# KiCad board karabas-pro-revER.kicad_pcb (continued)
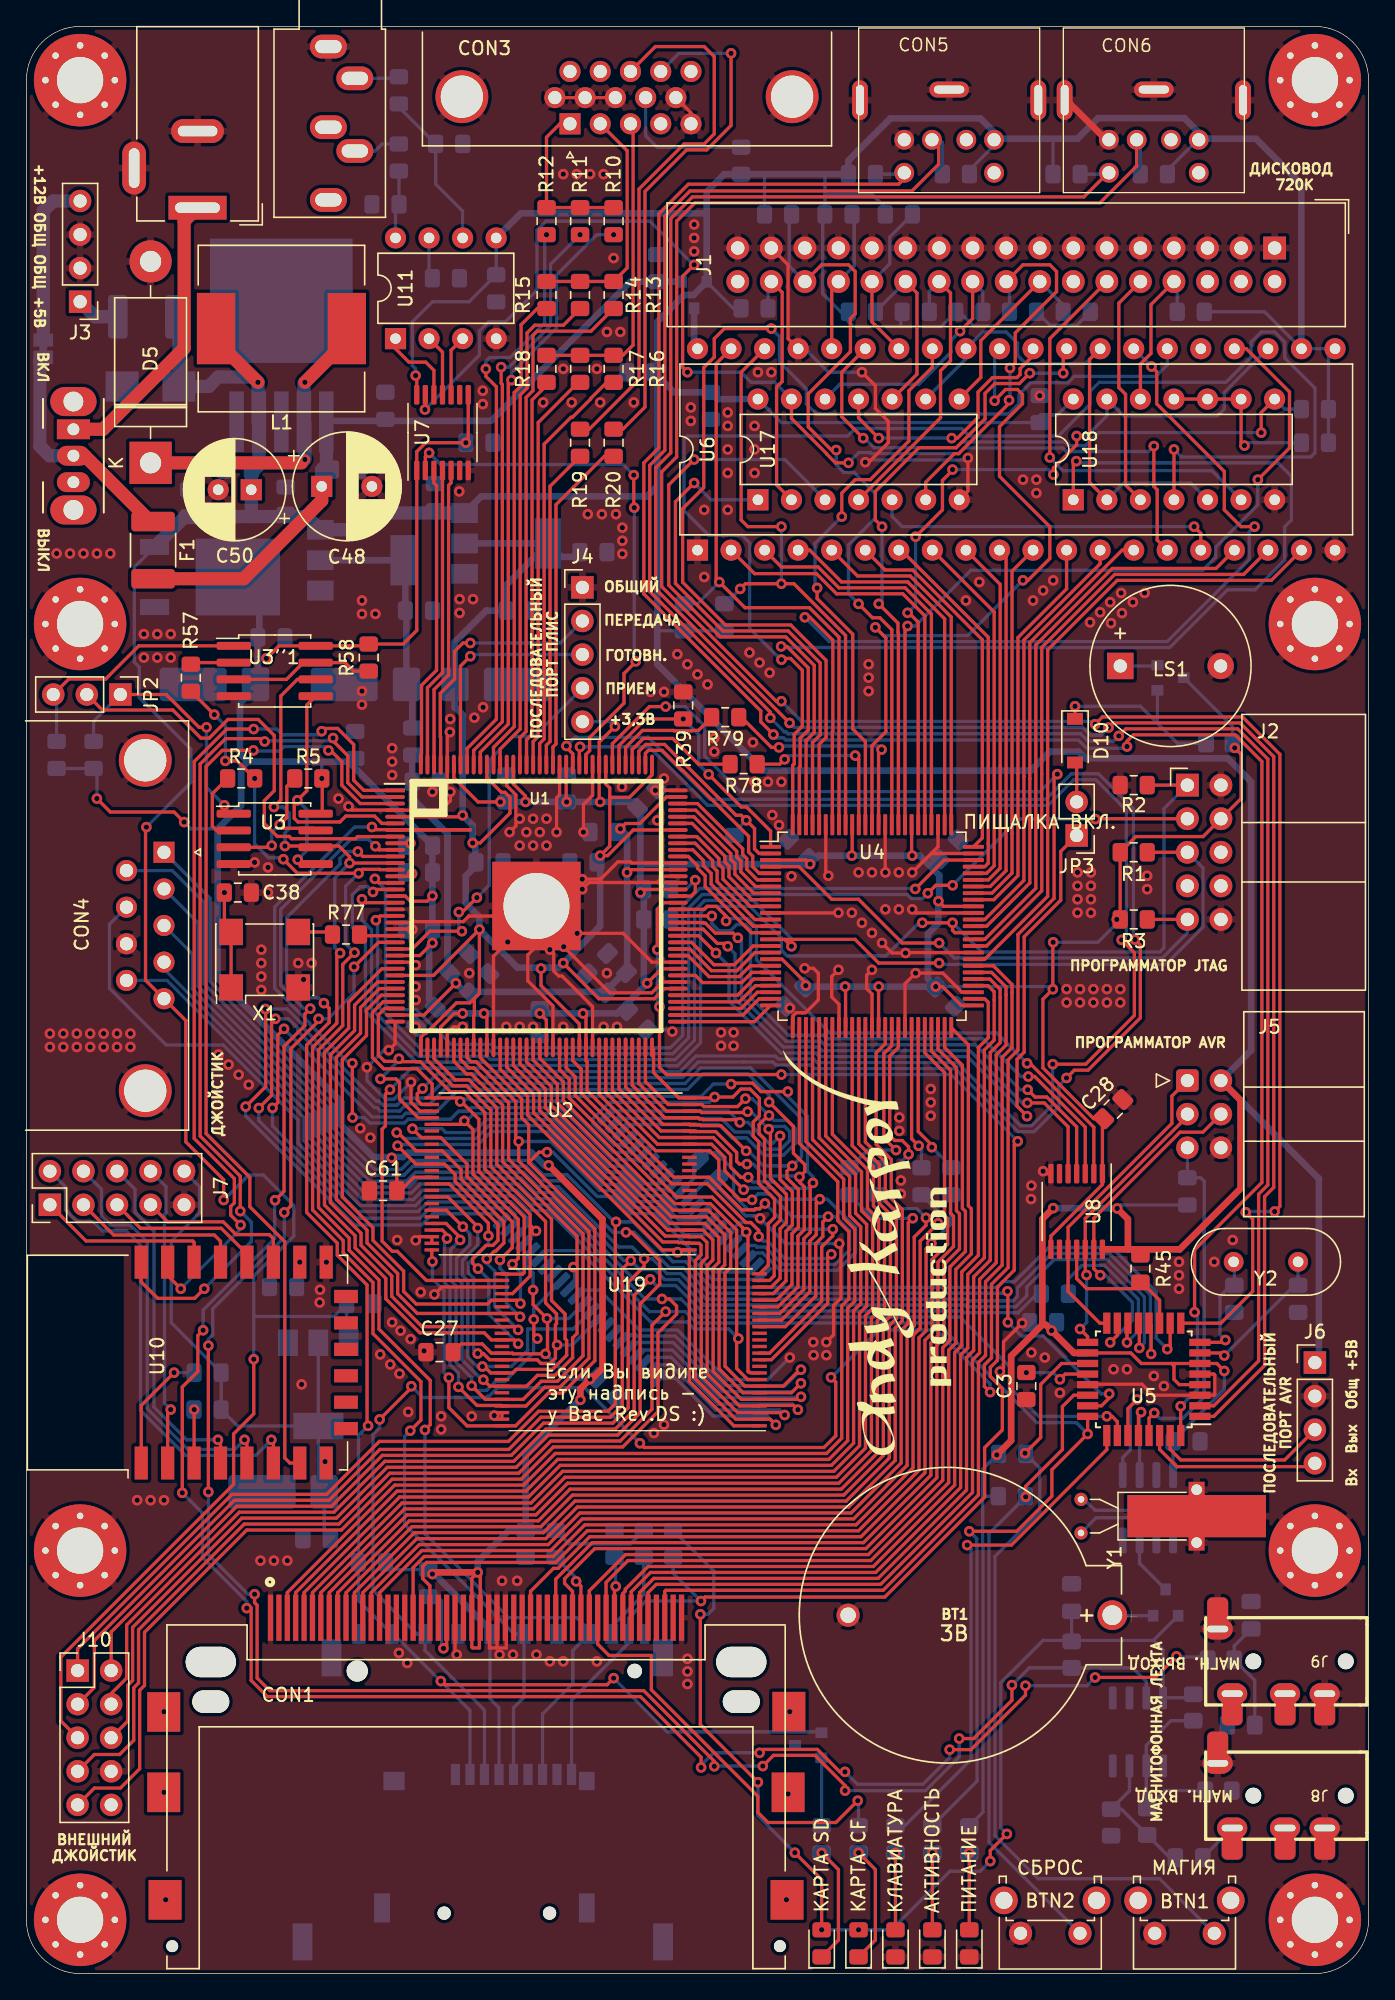
[diagram p0: board, top side]
## Routing (per net, layer and track width the routed paths; a pad name or vN(x,y) marks a point on that pad's centre or on a via; arc(x,y) is an arc through that point) (continued)
/LED1: length 38.8
  Top w0.25: v1(71.21,32.42) 74.56,32.42 81.78,39.64 U5.25
  Bottom w0.25: R28.1 66.49,11.19 71.51,16.21 71.51,32.12 v1(71.21,32.42)
/LED2: length 202.1
  Top w0.25: v1(71.37,33.46) 74.97,33.46 77.62,36.12 77.62,38.12 v1(80.33,40.83) U5.24 ; J10.7 5.14,16.57 7.05,16.57 8.12,17.65 8.12,21.62 8.49,21.99 8.49,26.01 16.49,34.01 23.66,34.01 27.5,37.86 37.26,37.86 39.7,40.29 44.95,40.29 47.35,42.7 47.35,49.05 v1(48.39,50.08)
  Bottom w0.25: R29.1 71.96,14.57 71.96,32.31 71.94,32.33 71.94,32.9 v1(71.37,33.46) ; CON4.7 6.29,79.39 6.29,74.55 10.58,70.26 14.89,70.26 20.56,64.58 20.56,62.83 25.28,58.11 29.47,58.11 30.19,58.83 35.76,58.83 35.76,58.83 36.89,58.83 37.99,57.73 39.5,57.73 47.15,50.08 v1(48.39,50.08) 49.87,50.08 50.73,49.23 68.96,49.23 74.15,44.04 74.15,44.01 76.48,41.68 79.48,41.68 v1(80.33,40.83)
/LED_BUSY: length 32.1
  Top w0.25: v1(62.93,13.08) 61.28,11.43 56.13,11.43 55.37,12.19 55.37,13.4 47.31,21.47 47.31,24.07 44.1,24.07 43.24,24.92 CON1.45
  Bottom w0.25: v1(62.93,13.08) 62.99,13.02 R55.1
/LFDC_STEP: length 41.2
  Top w0.25: U7.2 30.2,114.77 v1(30.48,115.06) ; U1.119 42.36,92.24 42.64,92.52 42.64,93.52 45.24,96.12 45.24,98.36 46.13,99.25 v1(46.13,99.28) ; v1(45.97,113.37) 45.97,110.95 v1(46.01,110.91)
  Bottom w0.25: v1(45.97,113.37) 45.17,114.17 31.37,114.17 v1(30.48,115.06) ; v1(46.13,99.28) 46.01,99.4 v1(46.01,110.91)
/LSND_BS: length 22.8
  Top w0.25: 29.88,91.5 29.88,92.27 29.91,92.29 29.91,97.47 31.05,98.61 31.05,112.58 30.85,112.78 U7.3
/LSND_DAT: length 22.8
  Top w0.25: U1.142 30.86,97.15 31.96,98.25 31.96,112.6 32.15,112.79 U7.5
/LSND_WS: length 22.7
  Top w0.25: U7.4 31.5,98.42 30.36,97.29 U1.143
/MA0: length 45.5
  Top w0.25: U19.25 36.02,52.92 37.56,52.92 37.68,53.04 37.68,57.25 34.25,60.68 34.25,64.64 32.63,66.25 U2.25 30.71,66.28 30.71,67.31 29.57,68.46 27.04,68.46 26.19,69.31 26.19,72.71 27,73.52 U1.33
  Bottom w0.25: 45.71,62.13 44.41,62.13 42.43,64.11 42.43,64.12 40.55,66.01 33.75,66.01 33.59,66.17 33.02,66.17 v1(32.83,65.98)
/MA1: length 39.1
  Top w0.25: U1.72 47.47,69.96 47.47,68.17 49.39,66.25 U2.24 52.03,66.25 v1(52.1,66.32) 53.48,66.32 54.08,66.92 54.78,66.92 55.48,66.22 55.48,64.89 55.02,64.42 55.02,63.35 55.42,62.95 55.42,59.8 56.63,58.59 56.63,57.2 56.15,56.72 56.15,53.6 U19.24
  Bottom w0.25: 45.14,62.7 44.48,62.7 42.88,64.29 42.88,64.68 44.12,65.92 51.7,65.92 v1(52.1,66.32)
/MA2: length 46.4
  Top w0.25: U19.23 56.26,52.44 56.6,52.79 56.6,56.54 57.08,57.02 57.08,58.78 55.87,59.98 55.87,63.13 55.47,63.54 55.47,64.24 56.15,64.92 v1(56.21,64.92) ; U1.71 46.86,67.48 48.59,65.75 U2.23 51.13,65.75 51.29,65.59 53.83,65.59 v1(54.43,66.2)
  Bottom w0.25: v1(54.43,66.2) 54.94,66.2 v1(56.21,64.92) 56.58,64.55 57.58,64.55 58.22,63.91 58.22,62.84 57.31,61.92 55.83,61.92 54.52,63.23 53.43,63.23 52.42,64.24 45.55,64.24 U20.3
/MA3: length 45.2
  Top w0.25: U1.70 46.36,67.35 48.45,65.25 U2.22 51,65.25 51.1,65.14 54.53,65.14 v1(54.59,65.21) ; U19.22 56.39,51.94 57.05,52.6 57.05,56.35 57.53,56.83 57.53,58.96 56.32,60.17 56.32,63.75 v1(56.19,63.89)
  Bottom w0.25: U20.2 44.73,64.27 45.17,64.7 52.59,64.7 53.61,63.68 54.71,63.68 56.02,62.37 57.12,62.37 57.77,63.02 57.77,63.72 57.4,64.1 56.4,64.1 v1(56.19,63.89) 54.87,65.21 v1(54.59,65.21)
/MA4: length 40.6
  Top w0.25: v1(57.05,63.37) 57.05,60.08 57.98,59.15 57.98,56.64 57.5,56.17 57.5,52.42 56.53,51.44 U19.21 ; U1.69 45.86,67.21 48.32,64.75 U2.21 50.86,64.75 50.96,64.65 51.18,64.65 51.23,64.6 53.8,64.6 v1(54,64.4)
  Bottom w0.25: 44.45,65.23 44.49,65.27 53.14,65.27 v1(54,64.4) 54.62,64.4 56.2,62.82 56.5,62.82 v1(57.05,63.37) ; 44.1,64.83 44.55,65.28
/MA5: length 113.4
  Top w0.25: v1(18.09,72.98) 18.11,72.96 18.11,67.1 v1(16.6,65.59) ; v1(54.48,62.24) 52.57,64.15 51.05,64.15 51,64.2 50.24,64.2 U2.20 48.18,64.25 45.36,67.07 U1.68 ; U19.20 56.75,50.94 57.95,52.14 57.95,55.98 58.43,56.46 58.43,59.34 57.57,60.19 57.57,60.71 v1(57.97,61.11)
  Bottom w0.25: v1(16.6,65.59) 16.6,64.88 24.84,56.64 29.91,56.64 30.75,57.48 35.43,57.48 U20.44 ; v1(18.09,72.98) 19.73,72.98 20.98,71.73 20.98,71.52 26.49,66.01 26.68,66.01 26.99,65.7 28.05,65.7 28.59,66.24 30.3,66.24 31.67,67.61 34.06,67.61 34.3,67.36 41.11,67.36 41.12,67.34 49.85,67.34 51.04,68.52 54.82,68.52 58.67,64.67 58.67,61.81 v1(57.97,61.11) 55.78,61.11 54.65,62.24 v1(54.48,62.24)
/MA6: length 114.7
  Top w0.25: v1(17.59,65.48) 18.56,66.45 18.56,71.95 v1(18.85,72.24) ; U1.67 44.86,66.94 48.04,63.75 U2.19 50.24,63.7 52.18,63.7 53.76,62.12 53.76,61.46 53.98,61.24 v1(54.54,61.24) ; v1(56.22,65.94) 58.06,64.1 58.06,62.07 58.92,61.21 58.92,60.67 v1(58.52,60.27) 58.52,59.88 58.88,59.52 58.88,56.27 58.4,55.79 58.4,51.96 56.89,50.44 U19.19
  Bottom w0.25: v1(58.52,60.27) 58.45,60.34 55.91,60.34 55.01,61.24 v1(54.54,61.24) ; v1(56.22,65.94) 56.22,66.46 54.61,68.07 51.22,68.07 50.04,66.89 40.94,66.89 40.92,66.91 34.12,66.91 33.87,67.16 31.89,67.16 30.52,65.79 28.77,65.79 28.24,65.25 26.8,65.25 26.54,65.52 26.35,65.52 20.53,71.33 20.53,71.54 19.84,72.24 v1(18.85,72.24) ; v1(17.59,65.48) 17.59,64.53 24.97,57.15 29.78,57.15 30.56,57.93 36.13,57.93 36.13,57.93 36.52,57.93 36.98,57.47 36.98,56.8 ; U20.43 37.08,56.9
/MA7: length 117.1
  Top w0.25: v1(57.64,66.73) 55.61,66.73 54.96,67.37 53.42,67.37 v1(53.34,67.3) ; U19.18 57.03,49.94 58.85,51.77 58.85,55.61 59.33,56.08 59.33,59.61 v1(59.54,59.82) ; v1(19.5,71.48) 19.03,71.01 19.03,65.89 v1(18.63,65.49) ; U1.66 44.36,66.8 47.91,63.25 U2.18 52,63.25 53.31,61.93 53.31,61.01 54.07,60.25 v1(54.64,60.25)
  Bottom w0.25: v1(54.64,60.25) 54.99,59.89 56.63,59.89 57.11,59.41 59.13,59.41 v1(59.54,59.82) 59.54,60.27 59.12,60.69 59.12,64.86 57.64,66.34 v1(57.64,66.73) ; v1(18.63,65.49) 18.63,64.13 25.1,57.66 29.65,57.66 30.38,58.38 36.7,58.38 37.9,57.19 37.9,56.58 U20.42 ; v1(53.34,67.3) 52,67.3 51.08,66.38 40.81,66.38 40.73,66.46 33.93,66.46 33.69,66.71 32.53,66.71 30.92,65.09 28.72,65.09 28.43,64.8 26.18,64.8 v1(19.5,71.48)
/MA8: length 51.7
  Top w0.25: 53.76,48.02 53.76,56.26 51.77,58.25 U2.8 49.09,58.25 41.09,66.25 41.09,67.66 40.36,68.39 U1.58 ; 53.76,48.02 53.76,45.78 54.6,44.94 U19.8 ; 53.76,48.02 53.78,48.04 v1(53.9,48.04)
  Bottom w0.25: U20.39 39.4,54.69 41.86,54.69 43.42,53.13 43.44,53.13 47.27,49.3 50.01,49.3 50.55,48.77 53.17,48.77 v1(53.9,48.04)
/MA9: length 54.1
  Top w0.25: U1.55 38.86,69.25 40.64,67.47 40.64,66.06 48.95,57.75 U2.7 51.63,57.75 53.31,56.07 53.31,53.44 52.88,53.01 52.88,45.95 54.39,44.44 U19.7 57.29,44.44 58.26,45.41 58.35,45.41 v1(58.63,45.69)
  Bottom w0.25: v1(58.63,45.69) 57.42,44.48 52.86,44.48 49.11,48.23 46.21,48.23 46.13,48.31 45.75,48.31 45.67,48.23 45.39,48.23
/MA10: length 53.7
  Top w0.25: U1.54 38.36,69.12 40.19,67.29 40.19,65.88 48.81,57.25 U2.6 51.49,57.25 52.86,55.88 52.86,53.62 52.43,53.19 52.43,45.76 54.25,43.94 U19.6 57.91,43.94 v1(58.63,44.66)
  Bottom w0.25: v1(58.63,44.66) 58,44.03 52.67,44.03 48.96,47.75 46.03,47.75
/MA11: length 53.4
  Top w0.25: U1.53 37.86,68.98 39.74,67.1 39.74,65.69 48.68,56.75 U2.5 51.36,56.75 52.41,55.7 52.41,53.81 51.98,53.38 51.98,45.58 54.12,43.44 U19.5 58.44,43.44 v1(58.63,43.63)
  Bottom w0.25: v1(58.63,43.63) 58.58,43.58 52.48,43.58 48.88,47.18 46.6,47.18
/MA12: length 53.4
  Top w0.25: v1(58.4,42.66) 58.08,42.98 55.54,42.98 U19.4 53.98,42.94 51.53,45.39 51.53,53.57 51.96,53.99 51.96,55.51 51.22,56.25 U2.4 48.54,56.25 39.29,65.5 39.29,66.91 37.36,68.85 U1.52
  Bottom w0.25: v1(58.4,42.66) 57.97,43.09 52.34,43.09 48.8,46.63 47.18,46.63
/MA13: length 51.5
  Top w0.25: v1(57.4,42.26) 57.22,42.44 U19.3 53.84,42.44 51.08,45.2 51.08,53.75 51.51,54.18 51.51,55.32 51.08,55.75 U2.3 50.14,55.8 48.36,55.8 38.84,65.32 38.84,66.73 36.86,68.71 U1.51
  Bottom w0.25: v1(57.4,42.26) 57.02,42.64 52.15,42.64 48.74,46.05 47.73,46.05
/MA14: length 50.8
  Top w0.25: U1.50 36.36,68.57 38.39,66.54 38.39,65.13 48.17,55.35 49.33,55.35 49.38,55.3 50.14,55.3 U2.2 50.92,55.25 51.06,55.12 51.06,54.37 50.63,53.94 50.63,45.02 53.71,41.94 U19.2 56.3,41.94 v1(56.73,41.52)
  Bottom w0.25: U20.23 49.11,45.05 51.97,42.19 56.05,42.19 v1(56.73,41.52)
/MA15: length 46.2
  Top w0.25: U1.49 35.86,68.44 37.94,66.35 37.94,64.94 48.13,54.75 U2.1 50.18,54.75 50.18,44.81 53.55,41.44 U19.1 ; 49.46,54.75 v1(49.29,54.58)
  Bottom w0.25: 55.33,52.52 51.92,52.52 49.86,54.58 v1(49.29,54.58)
/MA16: length 74.3
  Top w0.25: v1(30.73,53.87) 30.69,53.92 U2.48 ; 38.02,61.36 38.02,64.21 37.49,64.74 37.49,66.17 34.36,69.3 U1.46 ; 38.02,61.36 43.03,56.35 43.03,46.37 40.57,43.91 39.5,43.91 37.03,41.44 U19.48 35.99,41.44 33.36,41.44 31.98,42.82 v1(31.98,45.08) ; 38.02,61.36 38.8,62.15 v1(39.41,62.15)
  Bottom w0.25: 54.76,53.08 52,53.08 47.59,57.49 45.75,57.49 44.46,58.79 43.21,58.79 39.85,62.15 v1(39.41,62.15) ; v1(31.98,45.08) 31.61,45.45 31.61,48.52 31.61,48.52 31.61,51.67 30.73,52.55 v1(30.73,53.87)
/MA17: length 49.9
  Top w0.25: U19.17 57.16,49.44 59.3,51.58 59.3,55.42 59.79,55.9 59.79,58.32 v1(60.06,58.59) ; U1.65 43.86,66.66 47.77,62.75 U2.17 51.86,62.75 52.86,61.75 52.86,60.74 v1(54.29,59.31)
  Bottom w0.25: 55.07,54.52 55.73,54.52 57.05,53.2 61.4,53.2 62.77,54.58 62.77,56.44 60.62,58.59 v1(60.06,58.59) 57.29,58.59 56.44,59.44 54.42,59.44 v1(54.29,59.31)
/MA18: length 49.9
  Top w0.25: v1(60.69,57.27) 60.29,56.87 60.29,55.77 59.75,55.23 59.75,51.26 57.44,48.94 U19.16 ; U1.64 43.36,66.53 47.63,62.25 U2.16 51.72,62.25 52.41,61.56 52.41,60.15 54.02,58.54 v1(54.93,58.54)
  Bottom w0.25: 54.5,55.08 55.17,55.08 55.28,54.97 55.92,54.97 57.24,53.65 61.21,53.65 62.32,54.76 62.32,56.2 61.25,57.27 v1(60.69,57.27) 57.98,57.27 56.25,58.99 55.38,58.99 v1(54.93,58.54)
/MA19: length 34.1
  Top w0.25: U1.59 40.86,68.53 41.54,67.85 41.54,66.44 49.22,58.75 U2.9 51.9,58.75 54.21,56.44 54.21,56.34 54.62,55.94 54.62,45.56 54.69,45.49 54.78,45.49 54.83,45.44 U19.9
  Bottom w0.25: v1(54.49,56.1) 54.39,56.1 U20.18
/MA20: length 70.5
  Top w0.25: v1(37.26,62.96) 37.04,63.18 37.04,65.98 34.02,69 33.66,69 33.36,69.3 U1.44 ; v1(37.26,62.96) 37.26,61.49 42.58,56.17 42.58,46.56 40.39,44.36 39.24,44.36 37.82,42.94 U19.45 35.96,42.98 34.11,42.98 v1(32.7,44.39) ; v1(37.26,62.96) 37.16,62.96 ; U2.45 31.49,56.25 31.84,55.9 v1(31.84,55.61)
  Bottom w0.25: v1(31.84,55.61) 31.66,55.43 31.66,52.27 32.06,51.86 32.06,48.33 32.06,48.33 32.06,46.07 32.7,45.43 v1(32.7,44.39) ; v1(37.26,62.96) 39.68,62.96 43.4,59.24 44.64,59.24 45.94,57.94 47.77,57.94 49.81,55.91 51.93,55.91
/MD0: length 72.5
  Top w0.25: v1(36.79,53.67) 37.23,54.11 37.23,57.06 33.8,60.49 33.8,63.86 v1(33.15,64.52) 32.88,64.25 U2.29 ; U1.32 26.86,74.02 25.74,72.9 25.74,70.97 23.91,69.14 23.91,58.76 26.23,56.44 26.23,55.47 28.55,53.15 28.55,51.61 29.51,50.66 34.91,50.66 35.2,50.94 U19.29 37.14,50.94 v1(37.4,50.69)
  Bottom w0.25: v1(33.15,64.52) 33.32,64.52 33.86,65.06 40.14,65.06 44.11,61.09 45.34,61.09 46.67,59.75 47.86,59.75 U20.9 ; v1(36.79,53.67) 37.4,53.06 v1(37.4,50.69)
/MD1: length 78.8
  Top w0.25: v1(29.22,63.92) 29.89,63.25 U2.31 31.36,63.25 33.35,61.26 33.35,60.31 36.78,56.88 36.78,54.93 v1(35.84,53.99) ; U1.31 26.73,74.52 25.29,73.09 25.29,71.16 23.46,69.33 23.46,58.57 25.78,56.25 25.78,55.29 28.1,52.96 28.1,51.43 29.59,49.94 U19.31 37.12,49.94 v1(37.37,49.69)
  Bottom w0.25: 48.54,59.3 46.49,59.3 45.15,60.64 43.92,60.64 39.95,64.61 34.82,64.61 33.84,63.63 31.75,63.63 31.46,63.92 v1(29.22,63.92) ; v1(37.37,49.69) 36.34,50.72 36.34,52.86 35.84,53.36 v1(35.84,53.99)
/MD2: length 85.7
  Top w0.25: v1(28.03,63.63) 28.12,63.63 29.5,62.25 U2.33 31.47,62.25 32.9,60.83 32.9,60.12 36.14,56.88 36.14,55.28 35.5,54.64 35.41,54.64 v1(34.85,54.08) ; U1.30 26.59,75.02 24.84,73.27 24.84,71.34 23.01,69.51 23.01,58.33 25.33,56.01 25.33,55.1 27.65,52.78 27.65,51.24 29.95,48.94 U19.33 36.98,48.94 v1(37.22,48.7)
  Bottom w0.25: 50.24,57.61 49.48,57.61 48.23,58.85 46.3,58.85 44.97,60.19 43.74,60.19 39.77,64.16 35.01,64.16 34.03,63.18 28.58,63.18 28.12,63.63 v1(28.03,63.63) ; v1(37.22,48.7) 35.45,50.47 35.45,53.14 34.85,53.74 v1(34.85,54.08)
/MD3: length 88.9
  Top w0.25: v1(34.18,53.34) 33.78,53.74 33.78,54.09 34.79,55.09 35.32,55.09 35.69,55.47 35.69,56.69 32.45,59.93 32.45,60.45 31.65,61.25 U2.35 29.48,61.25 v1(28.1,62.63) ; U1.28 26.91,76.02 24.39,73.51 24.39,71.53 22.56,69.7 22.56,58.15 24.88,55.83 24.88,54.91 27.2,52.59 27.2,51.05 29.78,48.48 34.66,48.48 35.2,47.94 U19.35 36.94,47.94 v1(37.22,47.66)
  Bottom w0.25: v1(34.18,53.34) 35,52.52 35,49.88 v1(37.22,47.66) ; v1(28.1,62.63) 28.2,62.73 34.21,62.73 35.19,63.71 39.58,63.71 43.6,59.69 44.83,59.69 46.12,58.4 48,58.4 49.37,57.04 50.8,57.04
/MD4: length 54.8
  Top w0.25: U1.38 30.36,69.09 32.28,67.17 33.31,67.17 35.15,65.32 35.15,62.26 35.15,62.26 35.15,61.05 39.3,56.9 39.3,50.74 40.13,49.91 40.13,49.17 40.04,49.08 40.04,46.57 39.64,46.16 38.94,46.16 38.67,46.44 36,46.44 U19.38 35.06,46.44 34.59,46.91 v1(34.16,46.91) ; U2.38 31.99,59.75 34.97,56.78 v1(34.97,55.82)
  Bottom w0.25: U20.31 41.32,47.56 v1(40.17,47.56) ; v1(34.16,46.91) 33.86,47.21 33.86,52.61 33.46,53.01 33.46,53.74 34.97,55.25 v1(34.97,55.82)
/MD5: length 62.4
  Top w0.25: U2.40 31.91,58.75 34.16,56.5 v1(34.16,56.41) ; U1.39 30.86,69.22 32.46,67.62 33.49,67.62 35.6,65.51 35.6,61.24 39.75,57.09 39.75,50.93 40.77,49.91 40.77,48.04 40.9,47.91 40.9,46.78 39.83,45.71 37.07,45.71 36.8,45.44 U19.40 35.15,45.44 34.66,45.93 v1(34.52,45.93)
  Bottom w0.25: v1(34.16,56.41) 34.16,55.1 33.01,53.95 33.01,52.83 33.41,52.42 33.41,46.63 34.12,45.93 v1(34.52,45.93) 36.71,45.93 37.95,47.16 37.95,48.77 41.4,48.77 U20.32
/MD6: length 53
  Top w0.25: v1(34.59,44.93) 35.08,44.44 U19.42 37.86,44.44 38.69,45.26 40.02,45.26 41.35,46.59 41.35,48.09 41.68,48.43 41.68,55.79 36.05,61.42 36.05,65.7 33.68,68.07 33.32,68.07 32.36,69.03 U1.42 ; 41.66,53.44 41.42,53.44 v1(41.41,53.45) ; U2.42 31.8,57.75 v1(33.04,56.51)
  Bottom w0.25: v1(33.04,56.51) 33.56,55.99 33.56,55.14 32.56,54.14 32.56,52.64 32.96,52.23 32.96,46.45 34.48,44.93 v1(34.59,44.93) ; v1(41.41,53.45) 41.51,53.35 41.51,52.27
/MD7: length 64.9
  Top w0.25: v1(33.7,44.47) 34.73,43.44 U19.44 37.6,43.44 38.97,44.81 40.2,44.81 42.13,46.74 42.13,55.98 36.5,61.61 36.5,65.88 33.87,68.52 33.5,68.52 32.86,69.16 U1.43 ; v1(38.67,48.04) 38.41,48.31 v1(38.41,49.49) ; v1(32.83,55.5) 32.83,55.69 31.77,56.75 U2.44
  Bottom w0.25: v1(38.41,49.49) 38.41,50.3 U20.36 ; v1(38.67,48.04) 38.4,47.77 38.4,46.97 36.21,44.79 35.5,44.79 34.84,44.13 34.04,44.13 v1(33.7,44.47) 33.7,45.07 32.51,46.26 32.51,52.05 32.11,52.45 32.11,54.78 v1(32.83,55.5)
/NCONFIG: length 1.4
  Top w0.25: U1.14 29,83.02 v1(29.19,83.22)
/NCSO: length 34.1
  Top w0.25: U1.8 25.06,86.02 24.9,85.86 20.07,85.86 19.89,86.04 18.99,86.04 18.01,87.02 18.01,88.74 18.76,89.49 18.76,93.67 17.55,94.89 15.25,94.89 13.84,93.47 13.21,93.47 11.08,95.6 5.75,95.6 JP2.2
/NCSO1: length 19.1
  Top w0.25: v1(14.99,88.39) 14.99,87.97 15.2,87.76 ; v1(13.63,94.29) 13.07,94.29 10.58,96.77 JP2.1
  Bottom w0.25: R59.1 5.08,94.74 JP2.1 ; v1(14.99,88.39) 13.63,89.75 v1(13.63,94.29)
/NCSO2: length 18
  Top w0.25: JP2.3 3.21,97.95 6,97.95 8.51,100.46 15.2,100.46
  Bottom w0.25: R60.1 2.29,96.52
/NSTATUS: length 1.2
  Top w0.25: U1.9 29.07,85.52 v1(29.07,85.52)
/PS2_KB_CLK: length 159.5
  Top w0.25: v1(56.55,93.75) 55.59,94.7 55.59,95.53 46.74,104.38 46.74,114.3 47.88,115.44 47.88,133.15 50.1,135.38 66.02,135.38 66.96,136.32 ; v1(83.31,92.84) 83.31,93.24 83.8,93.73 91.5,93.73 93.52,91.7 93.52,59.85 88.43,54.76 v1(88.43,50.04) ; 87.38,40.71 v1(87.38,42.93)
  Bottom w0.25: R21.1 66.78,136.14 ; v1(56.55,93.75) 56.79,93.5 57.31,93.5 57.48,93.33 79.64,93.33 80.26,92.71 83.19,92.71 v1(83.31,92.84) ; v1(88.43,50.04) 88.65,49.82 88.65,44.2 v1(87.38,42.93)
/PS2_KB_DATA: length 160.7
  Top w0.25: v1(82.69,93.64) 83.23,94.18 91.69,94.18 93.97,91.89 93.97,59.67 93.28,58.97 93.28,46.35 89.88,42.96 U5.2 ; 69.06,138.82 69.06,136.9 67.03,134.87 50.23,134.87 48.33,132.97 48.33,115.25 47.19,114.11 47.19,104.57 56.31,95.44 v1(56.31,95)
  Bottom w0.25: R22.1 69.33,138.55 69.06,138.82 ; v1(56.31,95) 57.37,93.95 57.5,93.95 57.65,93.8 79.81,93.8 80.36,93.25 82.3,93.25 v1(82.69,93.64)
/PS2_MS_CLK: length 170.8
  Top w0.25: 81.94,136.32 80.05,134.42 50.42,134.42 48.78,132.78 48.78,115.07 47.64,113.93 47.64,104.75 v1(57.77,94.62) ; v1(81.91,94.27) 82.27,94.63 91.87,94.63 94.42,92.08 94.42,59.48 93.73,58.78 93.73,46 89.88,42.16 U5.1
  Bottom w0.25: v1(57.77,94.62) 58.1,94.29 79.95,94.29 80.54,93.7 81.34,93.7 v1(81.91,94.27) ; 79.76,136.14 81.77,136.14
/PS2_MS_DATA: length 171.3
  Top w0.25: v1(94.49,57.66) 94.89,58.06 94.89,92.25 92.06,95.08 81.45,95.08 v1(80.9,94.53) ; 84.04,138.82 84.04,136.75 81.26,133.97 50.6,133.97 49.23,132.59 49.23,114.75 48.09,113.62 48.09,104.94 56.76,96.27 v1(57.15,96.27) ; U5.9 90.41,49.21 92.83,51.62 92.83,57.08 v1(92.3,57.6)
  Bottom w0.25: R24.1 84.32,138.55 ; v1(92.3,57.6) 92.36,57.66 v1(94.49,57.66) ; v1(80.9,94.53) 80.68,94.74 58.67,94.74 v1(57.15,96.27)
/R: length 12.6
  Top w0.25: CON3.1 40.39,139.95 39.37,138.94 R12.2 R11.2 R10.2
/SA0: length 15.4
  Top w0.25: U4.5 55.47,83.25 54.98,83.73 54.98,84.54 54.67,84.86 54.67,86.05 49.68,91.03 49.64,91.03 48.12,92.55 47.08,92.55 46.86,92.32 U1.110
/SA1: length 10.1
  Top w0.25: U1.106 50.8,88.52 54.22,85.1 54.22,84.67 54.53,84.36 54.53,83.55 55.33,82.75 U4.6
/SD0: length 10.1
  Top w0.25: U4.7 55.19,82.25 54.08,83.36 54.08,84.17 53.77,84.48 53.77,84.92 50.66,88.02 U1.105
/SD1: length 10.1
  Top w0.25: U1.104 50.53,87.52 53.32,84.73 53.32,84.29 53.63,83.98 53.63,83.17 55.06,81.75 U4.8
/SD2: length 10.1
  Top w0.25: U1.103 50.39,87.02 52.87,84.55 52.87,84.11 53.18,83.8 53.18,82.99 54.92,81.25 U4.9
/SD3: length 9.9
  Top w0.25: U4.10 54.79,80.75 52.73,82.8 52.73,83.61 52.42,83.92 52.42,84.36 50.76,86.02 U1.101
/SD4: length 10.1
  Top w0.25: U4.12 55.15,79.75 54.89,80 54.89,80.01 52.28,82.62 52.28,83.42 51.94,83.76 51.94,84.2 50.62,85.52 U1.100
/SD5: length 10.1
  Top w0.25: U4.13 55.01,79.25 54.44,79.82 51.83,82.43 51.83,83.24 51.25,83.82 51.25,84.22 50.44,85.02 U1.99
/SD6: length 10
  Top w0.25: U1.98 50.1,84.52 50.8,83.82 50.8,83.63 51.38,83.05 51.38,82.24 54.88,78.75 U4.14
/SD7: length 8.3
  Top w0.25: U4.16 55.01,77.75 53.59,76.33 52.05,76.33 50.35,78.02 U1.85
/SD8: length 8.3
  Top w0.25: U1.84 50.22,77.52 51.86,75.88 53.78,75.88 55.15,77.25 U4.17
/SD9: length 8
  Top w0.25: U1.83 50.08,77.02 51.67,75.43 53.97,75.43 54.79,76.25 U4.19
/SD10: length 7.6
  Top w0.25: U4.20 54.92,75.75 54.15,74.98 51.19,74.98 50.64,75.52 U1.80
/SD11: length 7.5
  Top w0.25: U4.21 55.06,75.25 53.83,74.02 U1.77
/SD12: length 7.5
  Top w0.25: U1.76 53.97,73.52 55.19,74.75 U4.22
/SD13: length 7.5
  Top w0.25: U4.23 55.33,74.25 54.1,73.02 U1.75
/SD14: length 7.5
  Top w0.25: U4.24 55.47,73.75 54.24,72.52 U1.74
/SD15: length 7.5
  Top w0.25: U1.73 55.11,72.02 U4.25
/SD_DI: length 180.4
  Top w0.25: v1(26.74,41.92) 29.14,44.33 v1(29.14,44.44) ; v1(46.44,40.12) 46.76,39.8 60.38,39.8 61.26,40.69 61.26,44.75 v1(60.91,45.11) ; v1(48.39,95.86) 47.16,95.86 44.36,93.05 U1.115 ; v1(72.95,43.99) 72.52,44.42 72.52,46.05 73.06,46.59 73.06,52.16 74.31,53.42 74.31,69.13 75.06,69.88 75.06,78.62 77.79,81.35 77.79,90.5 v1(78.04,90.75)
  Bottom w0.25: v1(46.44,40.12) 42.25,44.32 35.67,44.32 35.03,43.68 34.89,43.68 34.79,43.59 29.99,43.59 v1(29.14,44.44) ; v1(60.91,45.11) 60.93,45.11 64.52,48.69 68.86,48.69 72.95,44.6 v1(72.95,43.99) ; v1(78.04,90.75) 76.71,89.41 54.04,89.41 51.34,92.11 51.34,94.37 49.86,95.86 v1(48.39,95.86) ; v1(26.74,41.92) 26.74,41.29 26.23,40.79 26.23,29.01 29.55,25.69 CON2.2 30.17,24.44 34.67,19.94 34.67,14.73
/SDIR: length 16.8
  Top w0.25: U1.111 46.36,92.47 46.88,93 48.31,93 49.82,91.48 49.87,91.48 53.71,87.64 54.11,87.64 v1(54.49,87.26) 55.12,86.63 55.12,85.09 55.46,84.75 U4.2
  Bottom w0.25: 53.59,86.36 v1(54.49,87.26)
/SND_BS: length 6.2
  Top w0.25: U11.1 27.94,122.94 28.96,121.92 30.23,121.92 30.85,121.3 U7.12
/SND_DAT: length 4.6
  Top w0.25: U7.10 32.15,122.82 U11.3
/SND_L: length 3.2
  Bottom w0.25: CON7.T 28.08,143.4
/SND_R: length 3.6
  Bottom w0.25: CON7.R 26.39,137.9 26.92,138.43 C1.2
/SND_WS: length 4.7
  Top w0.25: U11.2 31.5,122.68 U7.11
/TCK: length 108.3
  Top w0.25: v1(67.82,79.5) v1(70.1,79.5) 70.1,78.94 70.29,78.75 U4.62 ; v1(26.23,81.83) 26.42,82.02 U1.16 ; J2.1 R2.2
  Bottom w0.25: v1(70.1,79.5) 72.31,77.29 85.8,77.29 86.11,77.6 86.11,88.14 J2.1 ; v1(26.23,81.83) 25.83,82.23 25.28,82.23 24.67,81.63 24.67,79.16 25.66,78.18 25.66,72.82 29.52,68.96 34.68,68.96 34.93,68.71 41.66,68.71 41.68,68.69 49.29,68.69 51.03,70.42 51.03,80.24 51.53,80.74 54.77,80.74 57.15,78.36 57.15,77.42 57.57,77 65.06,77 67.56,79.5 v1(67.82,79.5)
/TDI: length 39.3
  Top w0.25: v1(69.09,77.97) 66.3,77.97 62.99,81.28 60.96,81.28 58.49,83.75 U4.4 ; J2.9 R3.1
  Bottom w0.25: J2.9 87.88,78.74 85.99,76.84 70.22,76.84 v1(69.09,77.97)
/TDI1: length 69
  Top w0.25: v1(26.38,82.82) 26.68,82.52 U1.15 ; U4.73 69.47,84.25 v1(67.29,82.06)
  Bottom w0.25: v1(26.38,82.82) 27.18,82.02 27.18,73.28 27.52,72.94 29.5,72.94 32.13,70.31 35.24,70.31 35.48,70.06 42.22,70.06 42.24,70.04 48.74,70.04 49.68,70.98 49.68,80.8 50.97,82.09 67.26,82.09 v1(67.29,82.06)
/TDO: length 84.3
  Top w0.25: v1(68.24,81.74) 68.83,82.34 v1(70.11,82.34) ; J2.3 80.95,87.38 v1(80.92,87.35) ; v1(26.45,79.7) 26.78,80.02 U1.20
  Bottom w0.25: v1(68.24,81.74) 67.84,81.34 66.99,81.34 66.68,81.64 51.16,81.64 50.13,80.61 50.13,70.79 48.92,69.59 42.06,69.59 42.04,69.61 35.3,69.61 35.05,69.86 29.94,69.86 26.58,73.21 26.58,79.57 v1(26.45,79.7) ; v1(80.92,87.35) 75.13,87.35 v1(70.11,82.34)
/TMS: length 101.7
  Top w0.25: U4.15 62.72,78.25 64.52,76.45 v1(69.09,76.45) ; J2.5 R1.1 ; v1(25.4,81.28) 25.66,81.02 U1.18 ; v1(57.91,77.72) 57.39,78.25
  Bottom w0.25: J2.5 89.07,83.65 89.07,79.19 86.24,76.35 69.19,76.35 v1(69.09,76.45) ; v1(57.91,77.72) 57.91,78.29 55.01,81.19 51.35,81.19 50.58,80.42 50.58,70.61 49.11,69.14 41.87,69.14 41.85,69.16 35.11,69.16 34.86,69.41 29.71,69.41 26.13,72.99 26.13,78.97 25.4,79.7 v1(25.4,81.28)
/UART2_CTS: length 17
  Top w0.25: v1(33.6,99.67) 32.86,98.92 U1.138
  Bottom w0.25: v1(33.6,99.67) 33.73,99.8 J4.3
/UART2_RX: length 29.1
  Top w0.25: v1(32.73,80.31) 33.01,80.31 v1(34.1,81.41) ; v1(32.96,78.86) 30.55,78.86 29.2,77.52 U1.25
  Bottom w0.25: v1(32.73,80.31) 32.73,79.09 v1(32.96,78.86) ; v1(34.1,81.41) 35.03,82.34 35.03,91.8 36.83,93.59 38.42,93.59 J4.4
/UART2_TX: length 19.7
  Top w0.25: U1.141 31.36,93.55 31.33,93.58 31.33,96.86 32.41,97.94 32.41,100.04 33.04,100.67 v1(33.6,100.67)
  Bottom w0.25: v1(33.6,100.67) 40.42,100.67 J4.2
/UART_CTS: length 73.9
  Top w0.25: U10.7 19.94,38.63 19.56,39.01 19.56,55.37 16.91,58.02 16.91,60.24 13.6,63.56 13.6,91.32 14.82,92.54 v1(17.18,92.54) ; v1(22.86,92.54) 23.03,92.54 23.88,91.69 23.88,89.91 25.27,88.52 U1.3
  Bottom w0.25: v1(22.86,92.54) 22.58,92.82 19.47,92.82 19.14,92.49 17.23,92.49 v1(17.18,92.54)
/UART_RX: length 68.8
  Top w0.25: v1(13.46,51.82) 12.74,51.09 9.93,51.09 8.69,52.33 U10.22 ; v1(18.03,93.22) 17.82,93.44 15.07,93.44 13.15,91.51 13.15,63.37 16.19,60.33 v1(16.19,57.69) ; v1(23.21,93.48) 23.21,93.48 23.21,93.27 24.33,92.15 24.33,90.1 25.4,89.02 U1.2
  Bottom w0.25: v1(18.03,93.22) 18.08,93.27 23,93.27 v1(23.21,93.48) ; v1(13.46,51.82) 17.02,55.37 17.02,56.86 v1(16.19,57.69)
/UART_TX: length 65
  Top w0.25: v1(16.21,56.64) 15.46,57.38 15.46,58.03 15.74,58.31 15.74,60.14 12.7,63.18 12.7,91.7 15.16,94.16 v1(17.2,94.16) ; v1(22.35,93.99) 22.56,94.2 23.56,94.2 24.78,92.99 24.78,90.29 25.54,89.52 U1.1 ; 10.69,52.81 v1(11.68,51.82)
  Bottom w0.25: v1(22.35,93.99) 22.08,93.73 19.37,93.73 18.94,94.16 v1(17.2,94.16) ; v1(16.21,56.64) 16.21,56.34 v1(11.68,51.82)
/VGA_B0: length 31.6
  Top w0.25: U1.126 38.86,93.08 39.19,93.41 39.19,115.72 41.22,117.75 41.33,117.75 42.71,119.13 42.71,119.17 43.92,120.39 R16.1
/VGA_B1: length 30.5
  Top w0.25: U1.127 38.36,93.21 38.74,93.59 38.74,117.35 40.55,119.16 40.55,119.17 41.77,120.39 R17.1
/VGA_B2: length 29.3
  Top w0.25: 39.37,120.16 38.28,119.06 38.28,93.77 37.86,93.35 U1.128
/VGA_G0: length 39.8
  Top w0.25: R13.1 42.74,124.26 38.67,124.26 38.34,123.94 38.34,119.77 37.83,119.25 37.83,93.97 37.36,93.51 U1.129
/VGA_G1: length 38.3
  Top w0.25: U1.132 35.86,92.64 37.38,94.16 37.38,119.43 37.89,119.95 37.89,124.13 38.48,124.71 40.65,124.71 R14.1
/VGA_G2: length 36.6
  Top w0.25: R15.1 38.67,125.97 37.44,124.75 37.44,120.14 36.93,119.62 36.93,94.35 35.36,92.78 U1.133
/VGA_HS: length 24.4
  Top w0.25: R19.2 39.64,112.53 39.64,93.22 39.36,92.94 U1.125
/VGA_R0: length 45
  Top w0.25: v1(36.72,120.56) 36.48,120.32 36.48,94.53 34.36,92.41 U1.135
  Bottom w0.25: v1(36.72,120.56) 36.72,121.1 40.13,124.51 40.13,128.52 43.17,131.56 v1(44.45,131.56)
/VGA_R1: length 43.8
  Top w0.25: v1(35.94,121.54) 35.94,120.32 36.03,120.23 36.03,94.72 33.86,92.55 U1.136
  Bottom w0.25: v1(41.91,131.56) 39.68,129.33 39.68,124.7 36.53,121.54 v1(35.94,121.54)
/VGA_R2: length 44.1
  Top w0.25: v1(34.78,121.41) 34.78,120.84 35.58,120.05 35.58,94.9 33.36,92.69 U1.137
  Bottom w0.25: v1(39.37,131.56) 39.23,131.42 39.23,124.89 36.61,122.27 35.08,122.27 34.78,121.97 v1(34.78,121.41)
